# Allegro board 038RT-9068CJK8E-A100_0921_1.brd (continued)
## Routing (per net, layer and track width the routed paths; a pad name or vN(x,y) marks a point on that pad's centre or on a via; arc(x,y) is an arc through that point) (continued)
  vias: v1(25,275.32) v1(25,232) v1(25,224.52) v1(28.43,281.69) v1(28.43,279.65) v1(28.43,230.89) v1(28.43,228.85) v1(29.7,281.69) v1(29.7,279.65) v1(29.7,230.89) v1(29.7,228.85) v1(33.56,282.32) v1(33.56,280.52) v1(33.56,277.82) v1(33.56,276.02) v1(33.56,231.52) v1(33.56,229.72) v1(33.56,227.02) v1(33.56,225.22) v1(34.86,290.94) v1(34.86,289.15) v1(34.86,240.14) v1(34.86,238.35) v1(36.94,292.66) v1(36.94,290.87) v1(36.94,241.86) v1(36.94,240.07) v1(37.3,288.67) v1(37.3,286.87) v1(37.3,237.87) v1(37.3,236.07) v1(37.81,279.4) v1(37.81,228.6) v1(39.52,292.73) v1(39.52,241.93) v1(39.58,281.35) v1(39.58,230.55) v1(39.7,279.4) v1(39.7,228.6) v1(43.04,290.07) v1(43.04,288.04) v1(43.04,286) v1(43.04,239.27) v1(43.04,237.24) v1(43.04,235.2) v1(44.31,288.04) v1(44.31,286) v1(44.31,237.24) v1(44.31,235.2) v1(46.57,282.14) v1(46.57,231.34) v1(47.78,291.55) v1(47.78,289.67) v1(47.78,240.75) v1(47.78,238.87) v1(48.5,282.14) v1(48.5,231.34) v1(49.21,288.98) v1(49.21,287.56) v1(49.21,238.18) v1(49.21,236.76) v1(49.26,285.53) v1(49.26,234.73) v1(50.35,287.56) v1(50.35,236.76) v1(53.53,365.14) v1(53.5,348.63) v1(53.53,345.6) v1(53.53,329.09) v1(53.5,142.58) v1(53.5,126.07) v1(53.5,123.04) v1(53.5,106.53) v1(53.7,276.98) v1(53.7,273.55) v1(53.7,272.34) v1(53.7,268.91) v1(53.7,216.98) v1(53.7,213.55) v1(53.7,212.34) v1(53.7,208.91) v1(55.72,365.14) v1(55.68,348.63) v1(55.72,345.6) v1(55.72,329.09) v1(55.68,142.58) v1(55.68,126.07) v1(55.68,123.04) v1(55.68,106.53) v1(58.23,245.57) v1(58.23,185.57) v1(59.85,348.63) v1(59.85,142.58) v1(59.85,126.07) v1(59.85,123.04) v1(59.85,106.53) v1(59.88,365.14) v1(59.88,345.6) v1(59.88,329.09) v1(62.03,348.63) v1(62.03,142.58) v1(62.03,126.07) v1(62.03,123.04) v1(62.03,106.53) v1(62.07,365.14) v1(62.07,345.6) v1(62.07,329.09) v1(68.75,280.98) v1(68.75,220.98) v1(69.24,265.04) v1(69.24,260.34) v1(69.24,205.04) v1(69.24,200.34) v1(73.02,261.48) v1(73.02,256.78) v1(73.02,201.48) v1(73.02,196.78) v1(81.77,282.88) v1(81.77,280.34) v1(81.77,277.8) v1(81.77,222.88) v1(81.77,220.34) v1(81.77,217.81) v1(83.3,278.98) v1(83.3,218.98) v1(83.47,248.84) v1(83.47,248.2) v1(83.47,246.82) v1(83.47,246.18) v1(83.47,188.84) v1(83.47,188.2) v1(83.47,186.82) v1(83.47,186.18) v1(84.63,282.88) v1(84.63,222.88) v1(85.4,265.42) v1(85.41,255.01) v1(85.41,254.38) v1(85.36,253.26) v1(85.36,252.62) v1(85.4,205.42) v1(85.41,195.01) v1(85.41,194.38) v1(85.36,193.26) v1(85.36,192.62) v1(86.2,273.42) v1(86.2,267.02) v1(86.2,266.22) v1(86.2,265.42) v1(86.2,259.82) v1(86.2,213.42) v1(86.2,207.02) v1(86.2,206.22) v1(86.2,205.42) v1(86.2,199.82) v1(86.34,278.98) v1(86.34,218.98) v1(87,273.42) v1(87,272.62) v1(87,271.82) v1(87,271.02) v1(87,264.62) v1(87,263.82) v1(87,263.02) v1(87,262.22) v1(87,260.62) v1(87,213.42) v1(87,212.62) v1(87,211.82) v1(87,211.02) v1(87,204.62) v1(87,203.82) v1(87,203.02) v1(87,202.22) v1(87,200.62) v1(87.49,282.88) v1(87.49,280.34) v1(87.49,277.8) v1(87.49,222.88) v1(87.49,220.34) v1(87.49,217.81) v1(87.67,248.2) v1(87.67,247.57) v1(87.67,188.2) v1(87.67,187.57) v1(87.8,271.82) v1(87.8,267.82) v1(87.8,266.22) v1(87.8,265.42) v1(87.8,260.62) v1(87.8,211.82) v1(87.8,207.82) v1(87.8,206.22) v1(87.8,205.42) v1(87.8,200.62) v1(88.6,271.82) v1(88.6,269.42) v1(88.6,268.62) v1(88.6,267.82) v1(88.6,266.22) v1(88.6,265.42) v1(88.6,264.62) v1(88.6,260.62) v1(88.6,211.82) v1(88.6,209.42) v1(88.6,208.62) v1(88.6,207.82) v1(88.6,206.22) v1(88.6,205.42) v1(88.6,204.62) v1(88.6,200.62) v1(89.4,271.82) v1(89.4,269.42) v1(89.4,263.82) v1(89.4,263.02) v1(89.4,258.22) v1(89.4,211.82) v1(89.4,209.42) v1(89.4,203.82) v1(89.4,203.02) v1(89.4,198.22) v1(90.2,272.62) v1(90.2,271.82) v1(90.2,269.42) v1(90.2,268.62) v1(90.2,267.82) v1(90.2,267.02) v1(90.2,266.22) v1(90.2,265.42) v1(90.2,263.02) v1(90.2,212.62) v1(90.2,211.82) v1(90.2,209.42) v1(90.2,208.62) v1(90.2,207.82) v1(90.2,207.02) v1(90.2,206.22) v1(90.2,205.42) v1(90.2,203.02) v1(91,274.22) v1(91,271.82) v1(91,269.42) v1(91,267.02) v1(91,266.22) v1(91,261.42) v1(91,259.02) v1(91,214.22) v1(91,211.82) v1(91,209.42) v1(91,207.02) v1(91,206.22) v1(91,201.42) v1(91,199.02) v1(91.35,248.84) v1(91.35,248.2) v1(91.35,246.82) v1(91.35,246.18) v1(91.35,188.84) v1(91.35,188.2) v1(91.35,186.82) v1(91.35,186.18) v1(91.53,287.54) v1(91.53,286.9) v1(91.51,285.63) v1(91.51,285) v1(91.53,227.54) v1(91.53,226.9) v1(91.51,225.63) v1(91.51,225) v1(91.8,269.42) v1(91.8,267.02) v1(91.8,266.22) v1(91.8,263.02) v1(91.8,209.42) v1(91.8,207.02) v1(91.8,206.22) v1(91.8,203.02) v1(92.6,267.02) v1(92.6,266.22) v1(92.6,263.02) v1(92.6,260.62) v1(92.6,207.02) v1(92.6,206.22) v1(92.6,203.02) v1(92.6,200.62) v1(93.45,281.59) v1(93.45,280.96) v1(93.44,279.84) v1(93.44,279.21) v1(93.4,267.02) v1(93.4,266.22) v1(93.4,263.02) v1(93.45,221.59) v1(93.45,220.96) v1(93.44,219.84) v1(93.44,219.21) v1(93.4,207.02) v1(93.4,206.22) v1(93.4,203.02) v1(94.2,271.82) v1(94.2,269.42) v1(94.2,211.82) v1(94.2,209.42) v1(95,263.02) v1(95,260.62) v1(95,203.02) v1(95,200.62) v1(95.14,253.26) v1(95.14,252.62) v1(95.14,193.26) v1(95.14,192.62) v1(95.17,255.01) v1(95.17,254.38) v1(95.17,195.01) v1(95.17,194.38) v1(95.43,279.84) v1(95.43,279.21) v1(95.43,219.84) v1(95.43,219.21) v1(95.48,281.59) v1(95.48,280.96) v1(95.48,221.59) v1(95.48,220.96) v1(95.8,273.42) v1(95.8,271.82) v1(95.8,264.62) v1(95.8,263.02) v1(95.8,213.42) v1(95.8,211.82) v1(95.8,204.62) v1(95.8,203.02) v1(95.94,278.38) v1(95.94,218.38) v1(96.6,274.22) v1(96.6,269.42) v1(96.6,268.62) v1(96.6,266.22) v1(96.6,260.62) v1(96.6,214.22) v1(96.6,209.42) v1(96.6,208.62) v1(96.6,206.22) v1(96.6,200.62) v1(96.99,287.54) v1(96.99,286.9) v1(96.99,227.54) v1(96.99,226.9) v1(97.08,248.84) v1(97.08,248.2) v1(97.06,246.82) v1(97.06,246.18) v1(97.08,188.84) v1(97.08,188.2) v1(97.06,186.82) v1(97.06,186.18) v1(97.39,285.63) v1(97.39,285) v1(97.4,271.82) v1(97.4,267.82) v1(97.4,263.82) v1(97.39,225.63) v1(97.39,225) v1(97.4,211.82) v1(97.4,207.82) v1(97.4,203.82) v1(97.62,287.54) v1(97.62,286.9) v1(97.62,227.54) v1(97.62,226.9) v1(98.2,271.02) v1(98.2,270.22) v1(98.22,268.62) v1(98.2,266.22) v1(98.2,265.42) v1(98.2,263.02) v1(98.2,262.22) v1(98.2,261.42) v1(98.2,260.62) v1(98.2,211.02) v1(98.2,210.22) v1(98.22,208.62) v1(98.2,206.22) v1(98.2,205.42) v1(98.2,203.02) v1(98.2,202.22) v1(98.2,201.42) v1(98.2,200.62) v1(99.8,273.42) v1(99.8,263.82) v1(99.8,259.82) v1(99.8,259.02) v1(99.8,213.42) v1(99.8,203.82) v1(99.8,199.82) v1(99.8,199.02) v1(104.07,266.89) v1(104.07,206.89) v1(104.9,266.89) v1(104.9,206.89) v1(105.73,266.36) v1(105.73,206.36) v1(106.35,275.62) v1(106.36,266.36) v1(106.35,215.62) v1(106.36,206.36) v1(107.18,275.09) v1(107.18,271.05) v1(107.21,263.08) v1(107.18,215.09) v1(107.18,211.05) v1(107.21,203.08) v1(107.48,266.35) v1(107.48,206.35) v1(107.81,275.09) v1(107.81,271.05) v1(107.81,215.09) v1(107.81,211.05) v1(107.85,263.08) v1(107.85,203.08) v1(108.11,266.35) v1(108.11,206.35) v1(108.93,275.08) v1(108.93,271.05) v1(108.93,215.08) v1(108.93,211.05) v1(108.97,263.03) v1(108.97,203.03) v1(109.36,256.08) v1(109.36,196.08) v1(109.57,275.08) v1(109.57,271.05) v1(109.6,263.03) v1(109.57,215.08) v1(109.57,211.05) v1(109.6,203.03) v1(109.99,256.08) v1(109.99,196.08) v1(111.11,256.08) v1(111.11,196.08) v1(111.75,256.08) v1(111.75,196.08) v1(112.97,277.02) v1(112.97,272.99) v1(113,261.14) v1(112.97,217.02) v1(112.97,212.99) v1(113,201.14) v1(113.61,277.02) v1(113.61,272.99) v1(113.64,261.14) v1(113.61,217.02) v1(113.61,212.99) v1(113.64,201.14) v1(114.74,277) v1(114.74,272.97) v1(114.74,217) v1(114.74,212.97) v1(114.77,261.16) v1(114.77,201.16) v1(115.04,258.01) v1(115.04,198.01) v1(115.37,277) v1(115.37,272.97) v1(115.4,261.16) v1(115.37,217) v1(115.37,212.97) v1(115.4,201.16) v1(115.67,258.01) v1(115.67,198.01) v1(116.8,261.16) v1(116.8,257.98) v1(116.8,201.16) v1(116.8,197.98) v1(116.93,268.28) v1(116.93,208.28) v1(117.44,261.16) v1(117.44,257.98) v1(117.44,201.16) v1(117.44,197.98) v1(117.56,268.28) v1(117.56,208.28) v1(121.77,257.96) v1(121.77,255.45) v1(121.77,197.96) v1(121.77,195.45) v1(121.86,260.54) v1(121.86,200.54) v1(124.18,257.87) v1(124.18,255.36) v1(124.18,197.87) v1(124.18,195.36) v1(124.27,260.45) v1(124.27,200.45) v1(128.8,289.79) v1(128.8,287.29) v1(128.8,284.78) v1(128.8,280.78) v1(128.8,278.27) v1(128.8,275.76) v1(128.8,229.79) v1(128.8,227.29) v1(128.8,224.78) v1(128.8,220.78) v1(128.8,218.27) v1(128.8,215.76) v1(130.98,267.15) v1(130.98,264.29) v1(130.96,261.46) v1(130.98,207.15) v1(130.98,204.29) v1(130.96,201.46) v1(131.17,289.79) v1(131.17,287.29) v1(131.17,284.78) v1(131.17,282.78) v1(131.17,280.78) v1(131.17,278.27) v1(131.17,275.76) v1(131.17,273.76) v1(131.17,271.76) v1(131.17,259.61) v1(131.17,257.61) v1(131.17,255.61) v1(131.17,229.79) v1(131.17,227.29) v1(131.17,224.78) v1(131.17,222.78) v1(131.17,220.78) v1(131.17,218.27) v1(131.17,215.76) v1(131.17,213.76) v1(131.17,211.76) v1(131.17,199.61) v1(131.17,197.61) v1(131.17,195.61) v1(131.98,267.15) v1(131.98,264.29) v1(131.96,261.46) v1(131.98,207.15) v1(131.98,204.29) v1(131.96,201.46) v1(135.42,240.43) v1(135.42,237.14) v1(135.42,234.08) v1(135.42,230.79) v1(136.21,289.89) v1(136.38,281.79) v1(136.38,279.76) v1(136.38,265.64) v1(136.38,263.61) v1(136.38,221.79) v1(136.38,219.76) v1(136.38,205.64) v1(136.38,203.61) v1(137.65,281.79) v1(137.65,279.76) v1(137.65,265.64) v1(137.65,263.61) v1(137.65,221.79) v1(137.65,219.76) v1(137.65,205.64) v1(137.65,203.61) v1(141.51,285.03) v1(141.51,283.03) v1(141.51,281.03) v1(141.51,278.53) v1(141.51,276.53) v1(141.51,275.77) v1(141.51,274.54) v1(141.51,264.37) v1(141.51,262.37) v1(141.51,260.37) v1(141.51,225.03) v1(141.51,223.03) v1(141.51,221.03) v1(141.51,218.53) v1(141.51,216.53) v1(141.51,215.77) v1(141.51,204.37) v1(141.51,202.37) v1(141.51,200.37) v1(143.64,259.62) v1(143.64,258.39) v1(143.64,199.62) v1(143.64,198.39) v1(143.78,207.33) v1(144.88,280.78) v1(144.88,278.28) v1(144.88,220.78) v1(144.88,218.28) v1(149.15,286.06) v1(149.15,282.77) v1(150.66,240.43) v1(150.66,234.08) v1(150.66,230.79) v1(164.39,286.06) v1(185.01,286.11) v1(185.01,282.82) v1(199.69,277.07) v1(199.69,274.4) v1(199.69,271.73) v1(199.69,269.07) v1(199.69,266.4) v1(200.25,286.11) v1(200.25,282.82) v1(201.39,277.07) v1(201.39,274.4) v1(201.39,271.73) v1(201.39,269.07) v1(201.39,266.4) v1(201.98,232.94) v1(201.98,230.27) v1(201.98,227.61) v1(201.98,224.94) v1(201.98,222.27) v1(203.68,232.94) v1(203.68,230.27) v1(203.68,227.61) v1(203.68,224.94) v1(203.68,222.27) v1(205.76,277.07) v1(205.76,274.4) v1(205.76,271.73) v1(205.76,269.07) v1(205.76,266.4) v1(207.46,277.07) v1(207.46,274.4) v1(207.46,271.73) v1(207.46,269.07) v1(207.46,266.4) v1(208.05,232.94) v1(208.05,230.27) v1(208.05,227.61) v1(208.05,224.94) v1(208.05,222.27) v1(209.75,232.94) v1(209.75,230.27) v1(209.75,227.61) v1(209.75,224.94) v1(209.75,222.27) v1(212.54,270.11) v1(212.54,268.84) v1(212.54,267.32) v1(212.54,266.05) v1(214.46,194.72) v1(214.46,193.45) v1(214.46,191.92) v1(214.46,190.65) v1(218.9,193.06) v1(221.94,250.82) v1(221.94,248.82) v1(221.94,244.82) v1(221.94,242.82) v1(221.94,190.82) v1(221.94,188.82) v1(221.94,184.82) v1(221.94,182.82) v1(223.21,248.82) v1(223.21,246.82) v1(223.21,244.82) v1(223.21,242.82) v1(223.21,240.82) v1(223.21,188.82) v1(223.21,186.82) v1(223.21,184.82) v1(223.21,180.82) v1(223.59,252.82) v1(223.59,250.82) v1(223.59,192.82) v1(223.59,190.82) v1(228.42,249.84) v1(228.42,247.81) v1(228.42,189.84) v1(228.42,187.81) v1(229.69,249.84) v1(229.69,247.81) v1(229.69,189.84) v1(229.69,187.81) v1(230.03,279.39) v1(230.03,278.12) v1(230.03,219.39) v1(230.03,218.12) v1(230.05,282.88) v1(230.05,281.61) v1(230.05,222.88) v1(230.05,221.62) v1(233.55,253.07) v1(233.55,251.07) v1(233.55,249.07) v1(233.55,246.57) v1(233.55,244.57) v1(233.55,243.82) v1(233.55,193.07) v1(233.55,191.07) v1(233.55,189.07) v1(233.55,186.57) v1(235.67,243.82) v1(235.67,242.59) v1(236.67,248.57) v1(236.67,246.57) v1(236.67,188.57) v1(236.67,186.57) v1(237.91,274.44) v1(237.91,273.04) v1(237.91,266.82) v1(237.91,265.42) v1(237.91,214.44) v1(237.91,213.04) v1(237.91,206.82) v1(237.91,205.42) v1(242.63,196.82) v1(242.63,194.82) v1(242.65,188.82) v1(242.65,186.82) v1(245.42,240.82) v1(245.42,194.82) v1(245.42,192.82) v1(245.42,186.82) v1(245.42,184.82) v1(245.42,180.82) v1(245.81,250.82) v1(245.81,248.82) v1(245.81,190.82) v1(245.81,188.82) v1(250.63,249.84) v1(250.63,247.81) v1(250.63,189.84) v1(250.63,187.81) v1(251.1,270.88) v1(251.1,269.48) v1(251.1,263.26) v1(251.1,261.86) v1(251.1,210.89) v1(251.1,209.48) v1(251.1,203.27) v1(251.1,201.86) v1(251.9,249.84) v1(251.9,247.81) v1(251.9,189.84) v1(251.9,187.81) v1(253.01,257.19) v1(253.01,255.92) v1(253.01,197.19) v1(253.01,195.92) v1(255.76,253.07) v1(255.76,251.07) v1(255.76,249.07) v1(255.76,246.57) v1(255.76,244.57) v1(255.76,243.82) v1(255.76,242.59) v1(255.76,193.07) v1(255.76,191.07) v1(255.76,189.07) v1(255.76,186.57) v1(255.76,184.57) v1(255.76,183.82) v1(259.56,248.57) v1(259.56,246.57) v1(259.56,188.57) v1(259.56,186.57) v1(262.87,242.56) v1(262.87,241.93) v1(262.87,182.56) v1(262.87,181.93) v1(265.41,242.56) v1(265.41,241.93) v1(265.41,182.56) v1(265.41,181.93) v1(265.77,275.34) v1(265.77,267.72) v1(265.77,267.09) v1(265.77,261.76) v1(265.77,215.34) v1(265.77,207.72) v1(265.77,207.09) v1(265.77,201.76) v1(266.4,275.34) v1(266.4,267.72) v1(266.4,267.09) v1(266.4,261.76) v1(266.4,215.34) v1(266.4,207.72) v1(266.4,207.09) v1(266.4,201.76) v1(267.79,275.24) v1(267.79,267.47) v1(267.79,261.86) v1(267.79,215.24) v1(267.79,207.47) v1(267.79,201.86) v1(268.42,275.24) v1(268.42,267.47) v1(268.42,261.86) v1(268.42,215.24) v1(268.42,207.47) v1(268.42,201.86) v1(268.51,258.59) v1(268.51,256.77) v1(268.51,254.94) v1(268.51,198.59) v1(268.51,196.77) v1(268.51,194.94) v1(270.51,258.59) v1(270.51,256.77) v1(270.51,254.94) v1(270.51,198.59) v1(270.51,196.77) v1(270.51,194.94) v1(272.21,273.46) v1(272.21,263.68) v1(272.21,213.46) v1(272.21,203.68) v1(272.5,258.59) v1(272.5,256.77) v1(272.5,254.94) v1(272.5,198.59) v1(272.5,196.77) v1(272.5,194.94) v1(272.84,273.46) v1(272.84,263.68) v1(272.84,213.46) v1(272.84,203.68) v1(273.96,273.53) v1(273.96,263.55) v1(273.96,213.53) v1(273.96,203.55) v1(274.49,258.59) v1(274.49,256.77) v1(274.49,254.94) v1(274.49,198.59) v1(274.49,196.77) v1(274.49,194.94) v1(274.6,273.53) v1(274.6,263.55) v1(274.63,249.85) v1(274.63,249.22) v1(274.6,213.53) v1(274.6,203.55) v1(274.63,189.85) v1(274.63,189.22) v1(274.66,251.6) v1(274.66,250.97) v1(274.66,191.6) v1(274.66,190.97) v1(274.78,282.84) v1(276.49,254.94) v1(276.49,194.94) v1(276.55,243.78) v1(276.55,243.15) v1(276.55,242.02) v1(276.55,183.78) v1(276.55,183.15) v1(276.55,182.02) v1(277.3,269.42) v1(277.3,209.42) v1(278.1,278.22) v1(278.1,275.82) v1(278.1,218.22) v1(278.1,215.82) v1(278.48,254.94) v1(278.48,194.94) v1(278.85,282.84) v1(278.85,279.03) v1(278.9,272.62) v1(278.9,259.02) v1(278.9,212.62) v1(278.9,199.02) v1(279.7,271.82) v1(279.7,271.02) v1(279.7,270.22) v1(279.7,266.22) v1(279.7,263.82) v1(279.7,262.22) v1(279.7,260.62) v1(279.67,241.95) v1(279.67,241.32) v1(279.7,211.82) v1(279.7,211.02) v1(279.7,210.22) v1(279.7,206.22) v1(279.7,203.82) v1(279.7,202.22) v1(279.7,200.62) v1(279.67,181.95) v1(279.67,181.32) v1(279.97,256.77) v1(279.98,245.81) v1(279.98,245.18) v1(279.98,244.05) v1(279.98,243.41) v1(279.97,196.77) v1(279.98,185.81) v1(279.98,185.18) v1(279.98,184.05) v1(279.98,183.41) v1(280.3,241.95) v1(280.3,241.32) v1(280.3,181.95) v1(280.3,181.32) v1(280.5,267.82) v1(280.5,260.62) v1(280.5,207.82) v1(280.5,200.62) v1(281.3,271.82) v1(281.3,260.62) v1(281.3,211.82) v1(281.3,200.62) v1(281.9,251.6) v1(281.9,250.97) v1(281.85,249.85) v1(281.85,249.22) v1(281.9,191.6) v1(281.9,190.97) v1(281.85,189.85) v1(281.85,189.22) v1(282.1,271.82) v1(282.1,269.42) v1(282.1,268.62) v1(282.1,267.02) v1(282.1,266.22) v1(282.1,265.42) v1(282.1,263.82) v1(282.1,263.02) v1(282.1,260.62) v1(282.1,211.82) v1(282.1,209.42) v1(282.1,208.62) v1(282.1,207.02) v1(282.1,206.22) v1(282.1,205.42) v1(282.1,203.82) v1(282.1,203.02) v1(282.1,200.62) v1(282.91,282.84) v1(282.9,271.82) v1(282.9,269.42) v1(282.9,261.42) v1(282.9,211.82) v1(282.9,209.42) v1(282.9,201.42) v1(283.7,271.82) v1(283.7,270.22) v1(283.7,263.02) v1(283.7,211.82) v1(283.7,210.22) v1(283.7,203.02) v1(284.5,272.62) v1(284.5,271.02) v1(284.5,270.22) v1(284.5,268.62) v1(284.5,260.62) v1(284.54,251.34) v1(284.54,250.7) v1(284.5,212.62) v1(284.5,211.02) v1(284.5,210.22) v1(284.5,208.62) v1(284.5,200.62) v1(284.54,191.34) v1(284.54,190.7) v1(284.57,253.09) v1(284.57,252.46) v1(284.57,193.09) v1(284.57,192.46) v1(284.79,290.56) v1(284.79,230.56) v1(285.08,254.75) v1(285.08,253.92) v1(285.08,194.75) v1(285.08,193.92) v1(285.3,272.62) v1(285.3,271.02) v1(285.3,270.22) v1(285.3,268.62) v1(285.3,267.82) v1(285.3,267.02) v1(285.3,266.22) v1(285.3,265.42) v1(285.3,262.22) v1(285.3,260.62) v1(285.3,212.62) v1(285.3,211.02) v1(285.3,210.22) v1(285.3,208.62) v1(285.3,207.82) v1(285.3,207.02) v1(285.3,206.22) v1(285.3,205.42) v1(285.3,202.22) v1(285.3,200.62) v1(285.55,285.98) v1(285.55,225.98) v1(286.1,272.62) v1(286.1,268.62) v1(286.1,267.82) v1(286.1,267.02) v1(286.1,266.22) v1(286.1,265.42) v1(286.1,212.62) v1(286.1,208.62) v1(286.1,207.82) v1(286.1,207.02) v1(286.1,206.22) v1(286.1,205.42) v1(286.44,241.89) v1(286.44,181.89) v1(286.9,271.02) v1(286.9,270.22) v1(286.9,268.62) v1(286.9,261.42) v1(286.9,259.02) v1(286.9,211.02) v1(286.9,210.22) v1(286.9,208.62) v1(286.9,201.42) v1(286.9,199.02) v1(287.7,275.02) v1(287.7,270.22) v1(287.7,268.62) v1(287.7,262.22) v1(287.7,260.59) v1(287.7,215.02) v1(287.7,210.22) v1(287.7,208.62) v1(287.7,202.22) v1(287.7,200.59) v1(288.5,270.22) v1(288.5,269.42) v1(288.5,268.62) v1(288.5,267.82) v1(288.5,267.02) v1(288.5,264.62) v1(288.5,262.22) v1(288.5,210.22) v1(288.5,209.42) v1(288.5,208.62) v1(288.5,207.82) v1(288.5,207.02) v1(288.5,204.62) v1(288.5,202.22) v1(288.85,285.98) v1(288.85,225.98) v1(289.3,260.62) v1(289.3,200.62) v1(289.6,290.56) v1(289.6,230.56) v1(290.1,271.82) v1(290.1,260.62) v1(290.13,249.89) v1(290.13,249.25) v1(290.1,211.82) v1(290.1,200.62) v1(290.13,189.89) v1(290.13,189.25) v1(290.16,251.64) v1(290.16,251) v1(290.16,191.64) v1(290.16,191) v1(290.9,271.82) v1(290.9,271.02) v1(290.9,270.22) v1(290.9,269.42) v1(290.9,268.62) v1(290.9,267.82) v1(290.9,264.62) v1(290.9,263.02) v1(290.9,261.42) v1(290.9,211.82) v1(290.9,211.02) v1(290.9,210.22) v1(290.9,209.42) v1(290.9,208.62) v1(290.9,207.82) v1(290.9,204.62) v1(290.9,203.02) v1(290.9,201.42) v1(291.4,290.56) v1(291.4,230.56) v1(291.7,271.82) v1(291.7,211.82) v1(292.04,245.85) v1(292.04,245.21) v1(292.04,244.08) v1(292.04,243.45) v1(292.04,185.85) v1(292.04,185.21) v1(292.04,184.08) v1(292.04,183.45) v1(292.15,285.98) v1(292.15,225.98) v1(292.5,273.42) v1(292.5,272.62) v1(292.5,271.82) v1(292.5,259.02) v1(292.5,213.42) v1(292.5,212.62) v1(292.5,211.82) v1(292.5,199.02) v1(293.3,267.82) v1(293.3,262.22) v1(293.3,207.82) v1(293.3,202.22) v1(294.19,249.57) v1(294.19,248.94) v1(294.16,247.82) v1(294.16,247.19) v1(294.19,189.57) v1(294.19,188.94) v1(294.16,187.82) v1(294.16,187.19) v1(294.7,250.4) v1(294.7,190.4) v1(295.45,285.98) v1(295.45,225.98) v1(296.08,243.78) v1(296.08,243.15) v1(296.08,242.02) v1(296.08,183.78) v1(296.08,183.15) v1(296.08,182.02) v1(296.2,290.56) v1(296.2,230.56) v1(297.46,263.16) v1(297.46,203.16) v1(298.28,265.66) v1(298.28,263.67) v1(298.28,205.66) v1(298.28,203.67) v1(298.92,265.66) v1(298.92,263.67) v1(298.92,205.66) v1(298.92,203.67) v1(300.04,265.66) v1(300.04,263.62) v1(300.04,205.66) v1(300.04,203.62) v1(300.67,265.66) v1(300.67,263.62) v1(300.67,205.66) v1(300.67,203.62) v1(304.07,267.6) v1(304.07,261.71) v1(304.07,207.6) v1(304.07,201.71) v1(304.71,267.6) v1(304.71,261.71) v1(304.65,242.56) v1(304.65,241.93) v1(304.71,207.6) v1(304.71,201.71) v1(304.65,182.56) v1(304.65,181.93) v1(305.98,267.57) v1(305.98,261.74) v1(305.98,207.57) v1(305.98,201.74) v1(306.61,267.57) v1(306.61,261.74) v1(306.61,207.57) v1(306.61,201.74) v1(312.12,282.44) v1(312.12,281.17) v1(312.12,222.44) v1(312.12,221.17) v1(319.03,273.83) v1(319.03,272.63) v1(319.03,213.83) v1(319.03,212.63) v1(350.05,282.88) v1(350.05,281.61) v1(350.03,279.39) v1(350.03,278.12) v1(350.05,222.88) v1(350.05,221.62) v1(350.03,219.39) v1(350.03,218.12) v1(357.91,274.44) v1(357.91,273.04) v1(357.91,266.82) v1(357.91,265.42) v1(357.91,214.44) v1(357.91,213.04) v1(357.91,206.82) v1(357.91,205.42) v1(371.1,270.88) v1(371.1,269.48) v1(371.1,263.26) v1(371.1,261.86) v1(371.1,210.89) v1(371.1,209.48) v1(371.1,203.27) v1(371.1,201.86) v1(382.87,242.56) v1(382.87,241.93) v1(382.87,182.56) v1(382.87,181.93) v1(385.41,242.56) v1(385.41,241.93) v1(385.41,182.56) v1(385.41,181.93) v1(385.77,275.34) v1(385.77,267.72) v1(385.77,267.09) v1(385.77,261.76) v1(385.77,215.34) v1(385.77,207.72) v1(385.77,207.09) v1(385.77,201.76) v1(386.4,275.34) v1(386.4,267.72) v1(386.4,267.09) v1(386.4,261.76) v1(386.4,215.34) v1(386.4,207.72) v1(386.4,207.09) v1(386.4,201.76) v1(387.79,275.24) v1(387.79,267.47) v1(387.79,261.86) v1(387.79,215.24) v1(387.79,207.47) v1(387.79,201.86) v1(388.42,275.24) v1(388.42,267.47) v1(388.42,261.86) v1(388.42,215.24) v1(388.42,207.47) v1(388.42,201.86) v1(392.21,273.46) v1(392.21,263.68) v1(392.21,213.46) v1(392.21,203.68) v1(392.84,273.46) v1(392.84,263.68) v1(392.84,213.46) v1(392.84,203.68) v1(393.96,273.53) v1(393.96,263.55) v1(393.96,213.53) v1(393.96,203.55) v1(394.6,273.53) v1(394.6,263.55) v1(394.63,249.85) v1(394.63,249.22) v1(394.6,213.53) v1(394.6,203.55) v1(394.63,189.85) v1(394.63,189.22) v1(394.66,251.6) v1(394.66,250.97) v1(394.66,191.6) v1(394.66,190.97) v1(396.55,243.78) v1(396.55,243.15) v1(396.55,242.02) v1(396.55,183.78) v1(396.55,183.15) v1(396.55,182.02) v1(397.3,269.42) v1(397.3,209.42) v1(398.1,278.22) v1(398.1,275.82) v1(398.1,218.22) v1(398.1,215.82) v1(398.9,272.62) v1(398.9,259.02) v1(398.9,212.62) v1(398.9,199.02) v1(399.7,271.82) v1(399.7,271.02) v1(399.7,270.22) v1(399.7,266.22) v1(399.7,263.82) v1(399.7,262.22) v1(399.7,260.62) v1(399.67,241.95) v1(399.67,241.32) v1(399.7,211.82) v1(399.7,211.02) v1(399.7,210.22) v1(399.7,206.22) v1(399.7,203.82) v1(399.7,202.22) v1(399.7,200.62) v1(399.67,181.95) v1(399.67,181.32) v1(399.98,245.81) v1(399.98,245.18) v1(399.98,244.05) v1(399.98,243.41) v1(399.98,185.81) v1(399.98,185.18) v1(399.98,184.05) v1(399.98,183.41) v1(400.3,241.95) v1(400.3,241.32) v1(400.3,181.95) v1(400.3,181.32) v1(400.5,267.82) v1(400.5,260.62) v1(400.5,207.82) v1(400.5,200.62) v1(401.3,271.82) v1(401.3,260.62) v1(401.3,211.82) v1(401.3,200.62) v1(401.9,251.6) v1(401.9,250.97) v1(401.85,249.85) v1(401.85,249.22) v1(401.9,191.6) v1(401.9,190.97) v1(401.85,189.85) v1(401.85,189.22) v1(402.1,271.82) v1(402.1,269.42) v1(402.1,268.62) v1(402.1,267.02) v1(402.1,266.22) v1(402.1,265.42) v1(402.1,263.82) v1(402.1,263.02) v1(402.1,260.62) v1(402.1,211.82) v1(402.1,209.42) v1(402.1,208.62) v1(402.1,207.02) v1(402.1,206.22) v1(402.1,205.42) v1(402.1,203.82) v1(402.1,203.02) v1(402.1,200.62) v1(402.9,271.82) v1(402.9,269.42) v1(402.9,261.42) v1(402.9,211.82) v1(402.9,209.42) v1(402.9,201.42) v1(403.7,271.82) v1(403.7,270.22) v1(403.7,263.02) v1(403.7,211.82) v1(403.7,210.22) v1(403.7,203.02) v1(404.5,272.62) v1(404.5,271.02) v1(404.5,270.22) v1(404.5,268.62) v1(404.5,260.62) v1(404.54,251.34) v1(404.54,250.7) v1(404.5,212.62) v1(404.5,211.02) v1(404.5,210.22) v1(404.5,208.62) v1(404.5,200.62) v1(404.54,191.34) v1(404.54,190.7) v1(404.57,253.09) v1(404.57,252.46) v1(404.57,193.09) v1(404.57,192.46) v1(404.79,290.56) v1(404.79,230.56) v1(405.08,254.75) v1(405.08,253.92) v1(405.08,194.75) v1(405.08,193.92) v1(405.3,272.62) v1(405.3,271.02) v1(405.3,270.22) v1(405.3,268.62) v1(405.3,267.82) v1(405.3,267.02) v1(405.3,266.22) v1(405.3,265.42) v1(405.3,262.22) v1(405.3,260.62) v1(405.3,212.62) v1(405.3,211.02) v1(405.3,210.22) v1(405.3,208.62) v1(405.3,207.82) v1(405.3,207.02) v1(405.3,206.22) v1(405.3,205.42) v1(405.3,202.22) v1(405.3,200.62) v1(405.55,285.98) v1(405.55,225.98) v1(406.1,272.62) v1(406.1,268.62) v1(406.1,267.82) v1(406.1,267.02) v1(406.1,266.22) v1(406.1,265.42) v1(406.1,212.62) v1(406.1,208.62) v1(406.1,207.82) v1(406.1,207.02) v1(406.1,206.22) v1(406.1,205.42) v1(406.44,241.89) v1(406.44,181.89) v1(406.9,271.02) v1(406.9,270.22) v1(406.9,268.62) v1(406.9,261.42) v1(406.9,259.02) v1(406.9,211.02) v1(406.9,210.22) v1(406.9,208.62) v1(406.9,201.42) v1(406.9,199.02) v1(407.7,275.02) v1(407.7,270.22) v1(407.7,268.62) v1(407.7,262.22) v1(407.7,260.59) v1(407.7,215.02) v1(407.7,210.22) v1(407.7,208.62) v1(407.7,202.22) v1(407.7,200.59) v1(408.5,270.22) v1(408.5,269.42) v1(408.5,268.62) v1(408.5,267.82) v1(408.5,267.02) v1(408.5,264.62) v1(408.5,262.22) v1(408.5,210.22) v1(408.5,209.42) v1(408.5,208.62) v1(408.5,207.82) v1(408.5,207.02) v1(408.5,204.62) v1(408.5,202.22) v1(408.85,285.98) v1(408.85,225.98) v1(409.3,260.62) v1(409.3,200.62) v1(409.6,290.56) v1(409.6,230.56) v1(410.1,271.82) v1(410.1,260.62) v1(410.13,249.89) v1(410.13,249.25) v1(410.1,211.82) v1(410.1,200.62) v1(410.13,189.89) v1(410.13,189.25) v1(410.15,251.64) v1(410.15,251) v1(410.15,191.64) v1(410.15,191) v1(410.9,271.82) v1(410.9,271.02) v1(410.9,270.22) v1(410.9,269.42) v1(410.9,268.62) v1(410.9,267.82) v1(410.9,264.62) v1(410.9,263.02) v1(410.9,261.42) v1(410.9,211.82) v1(410.9,211.02) v1(410.9,210.22) v1(410.9,209.42) v1(410.9,208.62) v1(410.9,207.82) v1(410.9,204.62) v1(410.9,203.02) v1(410.9,201.42) v1(411.4,290.56) v1(411.4,230.56) v1(411.7,271.82) v1(411.7,211.82) v1(412.04,245.85) v1(412.04,245.21) v1(412.04,244.08) v1(412.04,243.45) v1(412.04,185.85) v1(412.04,185.21) v1(412.04,184.08) v1(412.04,183.45) v1(412.15,285.98) v1(412.15,225.98) v1(412.5,273.42) v1(412.5,272.62) v1(412.5,271.82) v1(412.5,259.02) v1(412.5,213.42) v1(412.5,212.62) v1(412.5,211.82) v1(412.5,199.02) v1(413.3,267.82) v1(413.3,262.22) v1(413.3,207.82) v1(413.3,202.22) v1(414.19,249.57) v1(414.19,248.94) v1(414.16,247.82) v1(414.16,247.19) v1(414.19,189.57) v1(414.19,188.94) v1(414.16,187.82) v1(414.16,187.19) v1(414.7,250.4) v1(414.7,190.4) v1(415.45,285.98) v1(415.45,225.98) v1(416.1,258.59) v1(416.1,256.77) v1(416.1,254.94) v1(416.08,243.78) v1(416.08,243.15) v1(416.08,242.02) v1(416.1,198.59) v1(416.1,196.77) v1(416.1,194.94) v1(416.08,183.78) v1(416.08,183.15) v1(416.08,182.02) v1(416.2,290.56) v1(416.2,230.56) v1(417.46,263.16) v1(417.46,203.16) v1(418.09,258.59) v1(418.09,256.77) v1(418.09,254.94) v1(418.09,198.59) v1(418.09,196.77) v1(418.09,194.94) v1(418.28,265.66) v1(418.28,263.67) v1(418.28,205.66) v1(418.28,203.67) v1(418.92,265.66) v1(418.92,263.67) v1(418.92,205.66) v1(418.92,203.67) v1(420.04,265.66) v1(420.04,263.62) v1(420.04,205.66) v1(420.04,203.62) v1(420.09,258.59) v1(420.09,256.77) v1(420.09,254.94) v1(420.09,198.59) v1(420.09,196.77) v1(420.09,194.94) v1(420.67,265.66) v1(420.67,263.62) v1(420.67,205.66) v1(420.67,203.62) v1(422.08,258.59) v1(422.08,256.77) v1(422.08,254.94) v1(422.08,198.59) v1(422.08,196.77) v1(422.08,194.94) v1(424.07,267.6) v1(424.07,261.71) v1(424.07,207.6) v1(424.07,201.71) v1(424.71,267.6) v1(424.71,261.71) v1(424.65,242.56) v1(424.65,241.93) v1(424.71,207.6) v1(424.71,201.71) v1(424.65,182.56) v1(424.65,181.93) v1(425.98,267.57) v1(425.98,261.74) v1(425.98,207.57) v1(425.98,201.74) v1(426.61,267.57) v1(426.61,261.74) v1(426.61,207.57) v1(426.61,201.74) v1(432.12,282.44) v1(432.12,281.17) v1(432.12,222.44) v1(432.12,221.17) v1(437.17,255.37) v1(437.17,253.37) v1(437.17,195.37) v1(437.17,193.37) v1(439.03,273.83) v1(439.03,272.63) v1(439.03,213.83) v1(439.03,212.63) v1(440.97,259.35) v1(440.97,258.12) v1(440.97,257.37) v1(440.97,255.37) v1(440.97,252.87) v1(440.97,250.87) v1(440.97,248.87) v1(440.97,199.35) v1(440.97,198.12) v1(440.97,197.37) v1(440.97,195.37) v1(440.97,192.87) v1(440.97,190.87) v1(440.97,188.87) v1(443.72,246.02) v1(443.72,244.75) v1(443.72,186.02) v1(443.72,184.75) v1(444.83,254.13) v1(444.83,252.1) v1(444.83,194.13) v1(444.83,192.1) v1(446.1,254.13) v1(446.1,252.1) v1(446.1,194.13) v1(446.1,192.1) v1(450.93,253.12) v1(450.93,251.12) v1(450.93,193.12) v1(450.93,191.12) v1(451.31,261.12) v1(451.31,201.12) v1(460.07,255.37) v1(460.07,253.37) v1(460.07,195.37) v1(460.07,193.37) v1(461.06,259.35) v1(461.06,258.12) v1(461.06,199.35) v1(461.06,198.12) v1(463.18,258.12) v1(463.18,257.37) v1(463.18,255.37) v1(463.18,252.87) v1(463.18,250.87) v1(463.18,248.87) v1(463.18,198.12) v1(463.18,197.37) v1(463.18,195.37) v1(463.18,192.87) v1(463.18,190.87) v1(463.18,188.87) v1(467.04,254.13) v1(467.04,252.1) v1(467.04,194.13) v1(467.04,192.1) v1(468.31,254.13) v1(468.31,252.1) v1(468.31,194.13) v1(468.31,192.1) v1(471.64,277.47) v1(471.64,276.2) v1(471.64,274.68) v1(471.64,273.41) v1(471.64,217.47) v1(471.64,216.2) v1(471.64,214.68) v1(471.64,213.41) v1(473.14,251.12) v1(473.14,249.12) v1(473.14,191.12) v1(473.14,189.12) v1(473.52,261.12) v1(473.52,257.12) v1(473.52,255.12) v1(473.52,253.12) v1(473.52,201.12) v1(473.52,197.12) v1(473.52,195.12) v1(473.52,193.12) v1(474.79,259.12) v1(474.79,257.12) v1(474.79,253.12) v1(474.79,251.12) v1(474.79,199.12) v1(474.79,197.12) v1(474.79,193.12) v1(474.79,191.12) v1(482.77,270.18) v1(482.77,267.51) v1(482.77,264.85) v1(482.77,262.18) v1(482.77,259.51) v1(482.77,226.05) v1(482.77,223.39) v1(482.77,220.72) v1(482.77,218.05) v1(482.77,215.39) v1(484.47,270.18) v1(484.47,267.51) v1(484.47,264.85) v1(484.47,262.18) v1(484.47,259.51) v1(484.47,226.05) v1(484.47,223.39) v1(484.47,220.72) v1(484.47,218.05) v1(484.47,215.39) v1(488.84,270.18) v1(488.84,267.51) v1(488.84,264.85) v1(488.84,262.18) v1(488.84,259.51) v1(488.84,226.05) v1(488.84,223.39) v1(488.84,220.72) v1(488.84,218.05) v1(488.84,215.39) v1(490.54,270.18) v1(490.54,267.51) v1(490.54,264.85) v1(490.54,262.18) v1(490.54,259.51) v1(490.54,226.05) v1(490.54,223.39) v1(490.54,220.72) v1(490.54,218.05) v1(490.54,215.39) v1(539.94,241.65) v1(539.94,238.36) v1(539.94,232.01) v1(539.94,207.68) v1(539.94,204.39) v1(539.94,201.33) v1(539.94,198.04) v1(539.94,191.69) v1(539.94,188.63) v1(539.94,185.34) v1(545.71,254.16) v1(545.71,251.66) v1(545.71,194.16) v1(545.71,191.66) v1(546.96,274.05) v1(546.96,272.82) v1(546.96,214.05) v1(546.96,212.82) v1(549.08,272.07) v1(549.08,270.07) v1(549.08,268.07) v1(549.08,257.9) v1(549.08,256.67) v1(549.08,255.91) v1(549.08,253.91) v1(549.08,251.41) v1(549.08,249.41) v1(549.08,247.41) v1(549.08,212.07) v1(549.08,210.07) v1(549.08,208.07) v1(549.08,197.9) v1(549.08,196.67) v1(549.08,195.91) v1(549.08,193.91) v1(549.08,191.41) v1(549.08,189.41) v1(549.08,187.41) v1(552.94,268.83) v1(552.94,266.8) v1(552.94,252.68) v1(552.94,250.65) v1(552.94,208.83) v1(552.94,206.8) v1(552.94,192.68) v1(552.94,190.65) v1(554.21,268.83) v1(554.21,266.8) v1(554.21,252.68) v1(554.21,250.65) v1(554.21,208.83) v1(554.21,206.8) v1(554.21,192.68) v1(554.21,190.65) v1(555.18,241.65) v1(555.18,238.36) v1(555.18,235.3) v1(555.18,232.01) v1(558.63,270.98) v1(558.63,268.12) v1(558.61,265.29) v1(558.63,210.98) v1(558.63,208.12) v1(558.61,205.29) v1(559.42,276.83) v1(559.42,274.83) v1(559.42,272.83) v1(559.42,260.68) v1(559.42,258.68) v1(559.42,256.68) v1(559.42,254.17) v1(559.42,251.66) v1(559.42,249.66) v1(559.42,247.66) v1(559.42,245.15) v1(559.42,242.65) v1(559.42,216.83) v1(559.42,214.83) v1(559.42,212.83) v1(559.42,200.68) v1(559.42,198.68) v1(559.42,196.68) v1(559.42,194.17) v1(559.42,191.66) v1(559.42,189.66) v1(559.42,187.66) v1(559.42,185.15) v1(559.42,182.65) v1(559.63,270.98) v1(559.63,268.12) v1(559.61,265.29) v1(559.63,210.98) v1(559.63,208.12) v1(559.61,205.29) v1(561.79,256.68) v1(561.79,254.17) v1(561.79,251.66) v1(561.79,247.66) v1(561.79,245.15) v1(561.79,242.65) v1(561.79,196.68) v1(561.79,194.17) v1(561.79,191.66) v1(561.79,187.66) v1(561.79,185.15) v1(561.79,182.65) v1(566.32,214.5) v1(566.32,211.99) v1(566.41,217.08) v1(568.74,214.41) v1(568.74,211.9) v1(568.83,216.99) v1(573.03,264.16) v1(573.03,204.16) v1(573.16,274.46) v1(573.16,271.28) v1(573.16,214.46) v1(573.16,211.28) v1(573.67,264.16) v1(573.67,204.16) v1(573.79,274.46) v1(573.79,271.28) v1(573.79,214.46) v1(573.79,211.28) v1(574.92,274.43) v1(574.92,214.43) v1(575.19,271.28) v1(575.22,259.47) v1(575.22,255.44) v1(575.19,211.28) v1(575.22,199.47) v1(575.22,195.44) v1(575.56,274.43) v1(575.56,214.43) v1(575.82,271.28) v1(575.82,211.28) v1(575.86,259.47) v1(575.86,255.44) v1(575.86,199.47) v1(575.86,195.44) v1(576.96,271.3) v1(576.99,259.45) v1(576.99,255.42) v1(576.96,211.3) v1(576.99,199.45) v1(576.99,195.42) v1(577.59,271.3) v1(577.62,259.45) v1(577.62,255.42) v1(577.59,211.3) v1(577.62,199.45) v1(577.62,195.42) v1(578.85,276.36) v1(578.85,216.36) v1(579.48,276.36) v1(579.48,216.36) v1(580.6,276.36) v1(580.6,216.36) v1(580.99,269.41) v1(581.03,261.39) v1(581.03,257.36) v1(580.99,209.41) v1(581.03,201.39) v1(581.03,197.36) v1(581.24,276.36) v1(581.24,216.36) v1(581.63,269.41) v1(581.63,209.41) v1(581.66,261.39) v1(581.66,257.36) v1(581.66,201.39) v1(581.66,197.36) v1(582.48,266.09) v1(582.48,206.09) v1(582.75,269.36) v1(582.75,209.36) v1(582.78,261.39) v1(582.78,257.35) v1(582.78,201.39) v1(582.78,197.35) v1(583.11,266.09) v1(583.11,206.09) v1(583.38,269.36) v1(583.41,261.39) v1(583.41,257.35) v1(583.38,209.36) v1(583.41,201.39) v1(583.41,197.35) v1(584.23,266.08) v1(584.24,256.82) v1(584.23,206.08) v1(584.24,196.82) v1(584.87,266.08) v1(584.87,206.08) v1(585.69,265.55) v1(585.69,205.55) v1(586.52,265.55) v1(586.52,205.55) v1(590.8,273.42) v1(590.8,272.62) v1(590.8,268.62) v1(590.8,259.02) v1(590.8,213.42) v1(590.8,212.62) v1(590.8,208.62) v1(590.8,199.02) v1(592.4,271.82) v1(592.4,271.02) v1(592.4,270.22) v1(592.4,269.42) v1(592.4,267.02) v1(592.4,266.22) v1(592.37,263.82) v1(592.4,262.22) v1(592.4,261.42) v1(592.4,211.82) v1(592.4,211.02) v1(592.4,210.22) v1(592.4,209.42) v1(592.4,207.02) v1(592.4,206.22) v1(592.37,203.82) v1(592.4,202.22) v1(592.4,201.42) v1(592.97,245.54) v1(592.97,244.9) v1(592.97,185.54) v1(592.97,184.9) v1(593.2,268.62) v1(593.2,264.62) v1(593.2,260.62) v1(593.2,247.44) v1(593.2,246.81) v1(593.2,208.62) v1(593.2,204.62) v1(593.2,200.62) v1(593.2,187.44) v1(593.2,186.81) v1(593.54,286.26) v1(593.54,285.62) v1(593.51,284.24) v1(593.51,283.6) v1(593.54,226.26) v1(593.54,225.62) v1(593.51,224.24) v1(593.51,223.6) v1(593.61,245.54) v1(593.61,244.9) v1(593.61,185.54) v1(593.61,184.9) v1(594,271.82) v1(594,266.22) v1(594,263.82) v1(594,263.02) v1(594,258.22) v1(594,211.82) v1(594,206.22) v1(594,203.82) v1(594,203.02) v1(594,198.22) v1(594.65,254.06) v1(594.65,194.06) v1(594.8,269.42) v1(594.8,267.82) v1(594.8,260.62) v1(594.8,259.02) v1(594.8,209.42) v1(594.8,207.82) v1(594.8,200.62) v1(594.8,199.02) v1(595.11,251.48) v1(595.11,250.85) v1(595.11,191.48) v1(595.11,190.85) v1(595.16,253.23) v1(595.16,252.6) v1(595.16,193.23) v1(595.16,192.6) v1(595.42,278.06) v1(595.42,277.43) v1(595.42,218.06) v1(595.42,217.43) v1(595.45,279.82) v1(595.45,279.18) v1(595.45,219.82) v1(595.45,219.18) v1(595.6,271.82) v1(595.6,269.42) v1(595.6,211.82) v1(595.6,209.42) v1(596.4,263.02) v1(596.4,260.62) v1(596.4,203.02) v1(596.4,200.62) v1(597.2,269.42) v1(597.2,266.22) v1(597.2,265.42) v1(597.15,253.23) v1(597.15,252.6) v1(597.15,251.48) v1(597.15,250.85) v1(597.2,209.42) v1(597.2,206.22) v1(597.2,205.42) v1(597.15,193.23) v1(597.15,192.6) v1(597.15,191.48) v1(597.15,190.85) v1(598,271.82) v1(598,269.42) v1(598,266.22) v1(598,265.42) v1(598,211.82) v1(598,209.42) v1(598,206.22) v1(598,205.42) v1(598.8,269.42) v1(598.8,266.22) v1(598.8,265.42) v1(598.8,263.02) v1(598.8,209.42) v1(598.8,206.22) v1(598.8,205.42) v1(598.8,203.02) v1(599.09,247.44) v1(599.09,246.81) v1(599.06,245.54) v1(599.06,244.9) v1(599.09,187.44) v1(599.09,186.81) v1(599.06,185.54) v1(599.06,184.9) v1(599.25,286.26) v1(599.25,285.62) v1(599.25,284.24) v1(599.25,283.6) v1(599.25,226.26) v1(599.25,225.62) v1(599.25,224.24) v1(599.25,223.6) v1(599.6,273.42) v1(599.6,271.02) v1(599.6,266.22) v1(599.6,265.42) v1(599.6,263.02) v1(599.6,260.62) v1(599.6,258.22) v1(599.6,213.42) v1(599.6,211.02) v1(599.6,206.22) v1(599.6,205.42) v1(599.6,203.02) v1(599.6,200.62) v1(599.6,198.22) v1(600.4,269.42) v1(600.4,267.02) v1(600.4,266.22) v1(600.4,265.42) v1(600.4,264.62) v1(600.4,263.82) v1(600.4,263.02) v1(600.4,260.62) v1(600.4,259.82) v1(600.4,209.42) v1(600.4,207.02) v1(600.4,206.22) v1(600.4,205.42) v1(600.4,204.62) v1(600.4,203.82) v1(600.4,203.02) v1(600.4,200.62) v1(600.4,199.82) v1(601.2,274.22) v1(601.2,269.42) v1(601.2,268.62) v1(601.2,263.02) v1(601.2,260.62) v1(601.2,214.22) v1(601.2,209.42) v1(601.2,208.62) v1(601.2,203.02) v1(601.2,200.62) v1(602,271.82) v1(602,267.82) v1(602,267.02) v1(602,266.22) v1(602,264.62) v1(602,263.82) v1(602,263.02) v1(602,260.62) v1(602,211.82) v1(602,207.82) v1(602,207.02) v1(602,206.22) v1(602,204.62) v1(602,203.82) v1(602,203.02) v1(602,200.62) v1(602.8,271.82) v1(602.8,267.02) v1(602.8,266.22) v1(602.8,264.62) v1(602.8,260.62) v1(602.8,211.82) v1(602.8,207.02) v1(602.8,206.22) v1(602.8,204.62) v1(602.8,200.62) v1(602.92,284.87) v1(602.92,284.24) v1(602.92,224.87) v1(602.92,224.24) v1(603.11,254.63) v1(603.11,252.09) v1(603.11,249.56) v1(603.11,194.64) v1(603.11,192.1) v1(603.11,189.56) v1(603.6,271.82) v1(603.6,270.22) v1(603.6,269.42) v1(603.6,268.62) v1(603.6,267.82) v1(603.6,261.42) v1(603.6,260.62) v1(603.6,259.82) v1(603.6,259.02) v1(603.6,211.82) v1(603.6,210.22) v1(603.6,209.42) v1(603.6,208.62) v1(603.6,207.82) v1(603.6,201.42) v1(603.6,200.62) v1(603.6,199.82) v1(603.6,199.02) v1(604.26,253.46) v1(604.26,193.46) v1(604.4,272.62) v1(604.4,267.02) v1(604.4,266.22) v1(604.4,265.42) v1(604.4,259.02) v1(604.4,212.62) v1(604.4,207.02) v1(604.4,206.22) v1(604.4,205.42) v1(604.4,199.02) v1(605.24,279.82) v1(605.24,279.18) v1(605.18,278.06) v1(605.18,277.43) v1(605.2,267.02) v1(605.24,219.82) v1(605.24,219.18) v1(605.18,218.06) v1(605.18,217.43) v1(605.2,207.02) v1(605.96,249.56) v1(605.96,189.56) v1(607.12,286.26) v1(607.12,285.62) v1(607.12,284.24) v1(607.12,283.6) v1(607.12,226.26) v1(607.12,225.62) v1(607.12,224.24) v1(607.12,223.6) v1(607.3,253.46) v1(607.3,193.46) v1(608.82,254.63) v1(608.82,252.09) v1(608.82,249.56) v1(608.82,194.64) v1(608.82,192.1) v1(608.82,189.56) v1(617.57,275.66) v1(617.57,270.96) v1(617.57,215.66) v1(617.57,210.96) v1(621.35,272.1) v1(621.35,267.4) v1(621.35,212.1) v1(621.35,207.4) v1(621.84,251.46) v1(621.84,191.46) v1(632.35,343.93) v1(632.35,327.42) v1(632.35,324.39) v1(632.35,307.88) v1(632.37,286.87) v1(632.37,283.7) v1(632.37,281.66) v1(632.37,278.49) v1(632.37,276.45) v1(632.37,226.87) v1(632.37,223.7) v1(632.37,221.66) v1(632.37,218.49) v1(632.37,216.45) v1(632.35,141.69) v1(632.35,125.18) v1(632.35,122.15) v1(632.35,105.64) v1(634.54,343.93) v1(634.54,327.42) v1(634.54,324.39) v1(634.54,307.88) v1(634.54,141.69) v1(634.54,125.18) v1(634.54,122.15) v1(634.54,105.64) v1(636.9,263.53) v1(636.9,260.1) v1(636.9,258.89) v1(636.9,255.46) v1(636.9,203.53) v1(636.9,200.1) v1(636.9,198.89) v1(636.9,195.46) v1(638.7,343.93) v1(638.7,327.42) v1(638.7,324.39) v1(638.7,307.88) v1(638.7,141.69) v1(638.7,125.18) v1(638.7,122.15) v1(638.7,105.64) v1(640.24,271.24) v1(640.24,220.44) v1(640.89,343.93) v1(640.89,327.42) v1(640.89,324.39) v1(640.89,307.88) v1(640.89,141.69) v1(640.89,125.18) v1(640.89,122.15) v1(640.89,105.64) v1(641.34,273.27) v1(641.34,222.47) v1(641.39,271.24) v1(641.39,269.82) v1(641.39,220.44) v1(641.39,219.02) v1(642.1,276.66) v1(642.1,225.86) v1(642.82,269.13) v1(642.82,267.25) v1(642.82,218.33) v1(642.82,216.45) v1(644.02,276.66) v1(644.02,225.86) v1(646.29,272.8) v1(646.29,270.76) v1(646.29,222) v1(646.29,219.96) v1(647.56,272.8) v1(647.56,270.76) v1(647.56,268.73) v1(647.56,222) v1(647.56,219.96) v1(647.56,217.93) v1(650.89,279.4) v1(650.89,228.6) v1(651.02,277.45) v1(651.02,226.65) v1(651.08,266.07) v1(651.08,215.27) v1(652.79,279.4) v1(652.79,228.6) v1(653.29,271.93) v1(653.29,270.13) v1(653.29,221.13) v1(653.29,219.33) v1(653.65,267.93) v1(653.65,266.14) v1(653.65,217.13) v1(653.65,215.34) v1(655.73,269.65) v1(655.73,267.86) v1(655.73,218.85) v1(655.73,217.06) v1(657.04,282.78) v1(657.04,280.98) v1(657.04,278.28) v1(657.04,276.48) v1(657.04,231.98) 